# KiCad board poly_kb_wave_right_before_mirroring.kicad_pcb
title: Poly Keyboard Wave L; date: 2022-02-01; rev: 1.2; company: thpoll; note: AISLER Project ID: RHQTXHMD
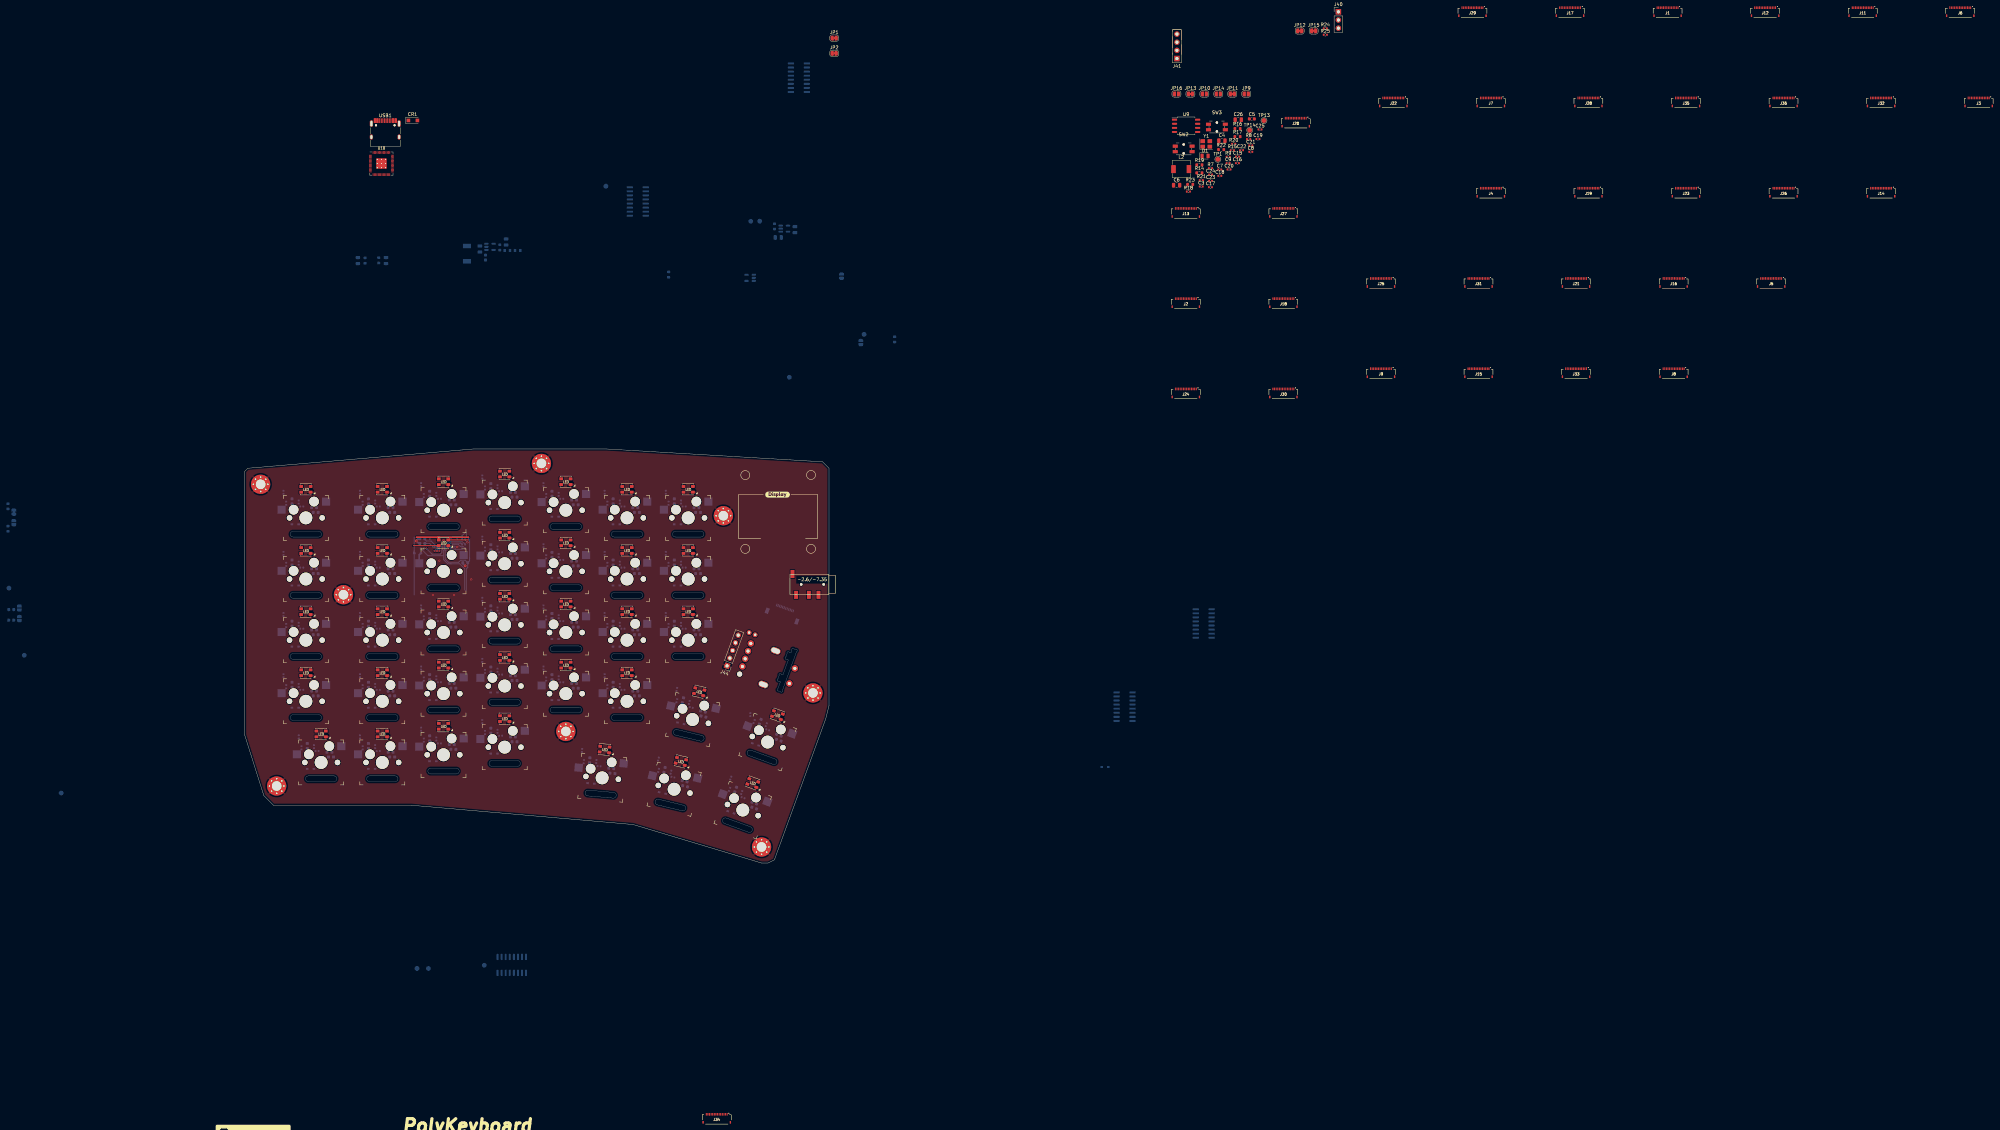
[diagram p0: board, top side]
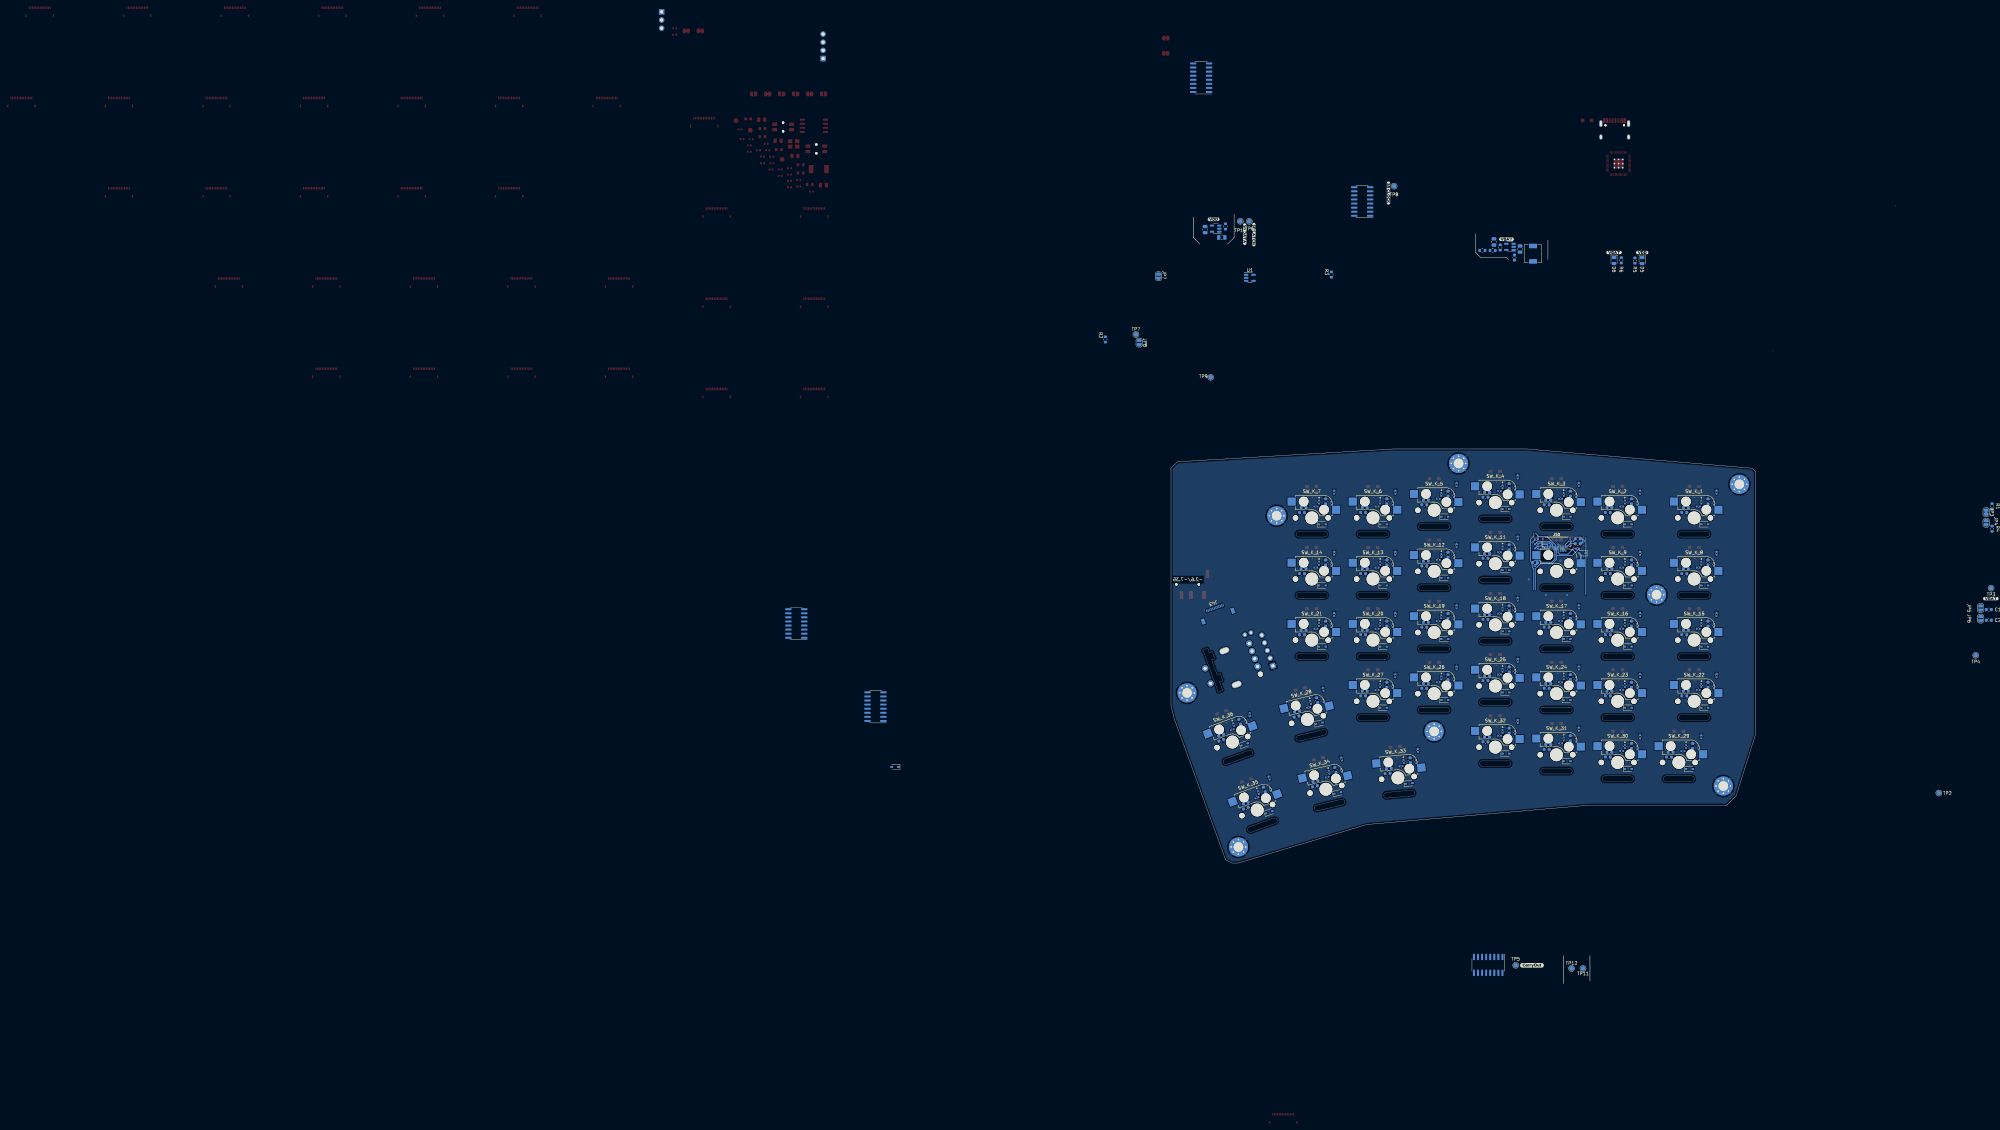
[diagram p1: board, bottom side, seen from below]

Outline 182 x 129 mm; copper layers: Top (plane), In1.Cu, In2.Cu (plane), Bottom. Coordinates in mm from the lower left corner of the outline.
Outline path: 0,122 0,40 6,21 9,18 52,18 121,12 161,0 163,0 165,1 181,45 182,49 182,123 180,125 112.7,129 71.2,129 1,123 0,122 ; 15.1,101.57 arc(14.21,102.46) 15.1,103.35 23.08,103.35 arc(23.97,102.46) 23.08,101.57 15.1,101.57 ; 15.1,82.52 arc(14.21,83.41) 15.1,84.3 23.08,84.3 arc(23.97,83.41) 23.08,82.52 15.1,82.52 ; 15.1,63.47 arc(14.21,64.36) 15.1,65.25 23.08,65.25 arc(23.97,64.36) 23.08,63.47 15.1,63.47 ; 15.1,44.42 arc(14.21,45.31) 15.1,46.2 23.08,46.2 arc(23.97,45.31) 23.08,44.42 15.1,44.42 ; 19.86,25.37 arc(18.97,26.26) 19.86,27.15 27.84,27.15 arc(28.73,26.26) 27.84,25.37 19.86,25.37 ; 38.91,101.57 arc(38.02,102.46) 38.91,103.35 46.89,103.35 arc(47.78,102.46) 46.89,101.57 38.91,101.57 ; 38.91,82.52 arc(38.02,83.41) 38.91,84.3 46.89,84.3 arc(47.78,83.41) 46.89,82.52 38.91,82.52 ; 38.91,63.47 arc(38.02,64.36) 38.91,65.25 46.89,65.25 arc(47.78,64.36) 46.89,63.47 38.91,63.47 ; 38.91,44.42 arc(38.02,45.31) 38.91,46.2 46.89,46.2 arc(47.78,45.31) 46.89,44.42 38.91,44.42 ; 38.91,25.37 arc(38.02,26.26) 38.91,27.15 46.89,27.15 arc(47.78,26.26) 46.89,25.37 38.91,25.37 ; 57.96,103.95 arc(57.07,104.84) 57.96,105.73 65.94,105.73 arc(66.83,104.84) 65.94,103.95 57.96,103.95 ; 57.96,84.9 arc(57.07,85.79) 57.96,86.68 65.94,86.68 arc(66.83,85.79) 65.94,84.9 57.96,84.9 ; 57.96,65.85 arc(57.07,66.74) 57.96,67.63 65.94,67.63 arc(66.83,66.74) 65.94,65.85 57.96,65.85 ; 57.96,46.8 arc(57.07,47.69) 57.96,48.58 65.94,48.58 arc(66.83,47.69) 65.94,46.8 57.96,46.8 ; 57.96,27.75 arc(57.07,28.64) 57.96,29.53 65.94,29.53 arc(66.83,28.64) 65.94,27.75 57.96,27.75 ; 77.01,106.34 arc(76.12,107.22) 77.01,108.11 84.99,108.11 arc(85.88,107.22) 84.99,106.34 77.01,106.34 ; 77.01,87.29 arc(76.12,88.17) 77.01,89.06 84.99,89.06 arc(85.88,88.17) 84.99,87.29 77.01,87.29 ; 77.01,68.24 arc(76.12,69.12) 77.01,70.01 84.99,70.01 arc(85.88,69.12) 84.99,68.24 77.01,68.24 ; 77.01,49.19 arc(76.12,50.08) 77.01,50.96 84.99,50.96 arc(85.88,50.08) 84.99,49.19 77.01,49.19 ; 77.01,30.14 arc(76.12,31.02) 77.01,31.91 84.99,31.91 arc(85.88,31.02) 84.99,30.14 77.01,30.14 ; 96.06,103.95 arc(95.17,104.84) 96.06,105.73 104.04,105.73 arc(104.93,104.84) 104.04,103.95 96.06,103.95 ; 96.06,84.9 arc(95.17,85.79) 96.06,86.68 104.04,86.68 arc(104.93,85.79) 104.04,84.9 96.06,84.9 ; 96.06,65.85 arc(95.17,66.74) 96.06,67.63 104.04,67.63 arc(104.93,66.74) 104.04,65.85 96.06,65.85 ; 96.06,46.8 arc(95.17,47.69) 96.06,48.58 104.04,48.58 arc(104.93,47.69) 104.04,46.8 96.06,46.8 ; 106.85,20.92 arc(106.04,21.88) 107,22.69 114.96,22 arc(115.76,21.03) 114.8,20.22 106.85,20.92 ; 115.11,101.57 arc(114.22,102.46) 115.11,103.35 123.09,103.35 arc(123.98,102.46) 123.09,101.57 115.11,101.57 ; 115.11,82.52 arc(114.22,83.41) 115.11,84.3 123.09,84.3 arc(123.98,83.41) 123.09,82.52 115.11,82.52 ; 115.11,63.47 arc(114.22,64.36) 115.11,65.25 123.09,65.25 arc(123.98,64.36) 123.09,63.47 115.11,63.47 ; 115.11,44.42 arc(114.22,45.31) 115.11,46.2 123.09,46.2 arc(123.98,45.31) 123.09,44.42 115.11,44.42 ; 128.52,18.13 arc(127.87,19.21) 128.94,19.86 136.7,18 arc(137.36,16.93) 136.28,16.27 128.52,18.13 ; 134.16,101.57 arc(133.27,102.46) 134.16,103.35 142.14,103.35 arc(143.03,102.46) 142.14,101.57 134.16,101.57 ; 134.16,82.52 arc(133.27,83.41) 134.16,84.3 142.14,84.3 arc(143.03,83.41) 142.14,82.52 134.16,82.52 ; 134.16,63.47 arc(133.27,64.36) 134.16,65.25 142.14,65.25 arc(143.03,64.36) 142.14,63.47 134.16,63.47 ; 134.24,39.85 arc(133.58,40.92) 134.65,41.58 142.41,39.72 arc(143.07,38.64) 142,37.99 134.24,39.85 ; 149.43,12.34 arc(148.9,13.48) 150.04,14.01 157.54,11.28 arc(158.07,10.14) 156.93,9.61 149.43,12.34 ; 157.09,33.48 arc(156.56,34.62) 157.7,35.15 165.2,32.42 arc(165.73,31.28) 164.59,30.75 157.09,33.48
Stack: Top 0.035mm / dielectric 1.51mm FR4 er 4.5 / In1.Cu 0.035mm / dielectric 1.51mm FR4 er 4.5 / In2.Cu 0.035mm / dielectric 1.51mm FR4 er 4.5 / Bottom 0.035mm

## Placement (name value [footprint] x y rotation side)
C1  10pF 0603  [C_0603_1608Metric]  -72.67 78.95 180 bottom
C1_1  2.2uF 0603  [C_0603_1608Metric]  22.16 109.24 180 bottom
C1_2  2.2uF 0603  [C_0603_1608Metric]  45.98 109.24 180 bottom
C1_3  2.2uF 0603  [C_0603_1608Metric]  65.03 111.62 180 bottom
C1_4  2.2uF 0603  [C_0603_1608Metric]  84.08 114 180 bottom
C1_5  2.2uF 0603  [C_0603_1608Metric]  103.12 111.62 180 bottom
C1_6  2.2uF 0603  [C_0603_1608Metric]  122.18 109.24 180 bottom
C1_7  2.2uF 0603  [C_0603_1608Metric]  141.22 109.24 180 bottom
C1_8  2.2uF 0603  [C_0603_1608Metric]  22.16 90.19 180 bottom
C1_9  2.2uF 0603  [C_0603_1608Metric]  45.98 90.19 180 bottom
C1_10  2.2uF 0603  [C_0603_1608Metric]  55.35 99.53 180 bottom
C1_11  2.2uF 0603  [C_0603_1608Metric]  84.08 94.95 180 bottom
C1_12  2.2uF 0603  [C_0603_1608Metric]  103.12 92.57 180 bottom
C1_13  2.2uF 0603  [C_0603_1608Metric]  122.18 90.19 180 bottom
C1_14  2.2uF 0603  [C_0603_1608Metric]  141.22 90.19 180 bottom
C1_15  2.2uF 0603  [C_0603_1608Metric]  22.16 71.14 180 bottom
C1_16  2.2uF 0603  [C_0603_1608Metric]  45.98 71.14 180 bottom
C1_17  2.2uF 0603  [C_0603_1608Metric]  65.03 73.52 180 bottom
C1_18  2.2uF 0603  [C_0603_1608Metric]  84.08 75.9 180 bottom
C1_19  2.2uF 0603  [C_0603_1608Metric]  103.12 73.52 180 bottom
C1_20  2.2uF 0603  [C_0603_1608Metric]  122.18 71.14 180 bottom
C1_21  2.2uF 0603  [C_0603_1608Metric]  141.22 71.14 180 bottom
C1_22  2.2uF 0603  [C_0603_1608Metric]  22.16 52.09 180 bottom
C1_23  2.2uF 0603  [C_0603_1608Metric]  45.98 52.09 180 bottom
C1_24  2.2uF 0603  [C_0603_1608Metric]  65.03 54.47 180 bottom
C1_25  2.2uF 0603  [C_0603_1608Metric]  84.08 56.85 180 bottom
C1_26  2.2uF 0603  [C_0603_1608Metric]  103.12 54.47 180 bottom
C1_27  2.2uF 0603  [C_0603_1608Metric]  122.18 52.09 180 bottom
C1_28  2.2uF 0603  [C_0603_1608Metric]  142.9 45.65 166.5 bottom
C1_29  2.2uF 0603  [C_0603_1608Metric]  26.93 33.04 180 bottom
C1_30  2.2uF 0603  [C_0603_1608Metric]  45.98 33.04 180 bottom
C1_31  2.2uF 0603  [C_0603_1608Metric]  65.03 35.42 180 bottom
C1_32  2.2uF 0603  [C_0603_1608Metric]  84.08 37.8 180 bottom
C1_33  2.2uF 0603  [C_0603_1608Metric]  114.56 27.94 175 bottom
C1_34  2.2uF 0603  [C_0603_1608Metric]  137.18 23.94 166.5 bottom
C1_35  2.2uF 0603  [C_0603_1608Metric]  158.69 17.12 160 bottom
C1_36  2.2uF 0603  [C_0603_1608Metric]  166.35 38.26 160 bottom
C2  10pF 0603  [C_0603_1608Metric]  -72.67 75.65 180 bottom
C2_1  2.2uF 0603  [C_0603_1608Metric]  14.77 112.69 90 bottom
C2_2  2.2uF 0603  [C_0603_1608Metric]  38.58 112.69 90 bottom
C2_3  2.2uF 0603  [C_0603_1608Metric]  57.63 115.07 90 bottom
C2_4  2.2uF 0603  [C_0603_1608Metric]  76.68 117.45 90 bottom
C2_5  2.2uF 0603  [C_0603_1608Metric]  95.73 115.07 90 bottom
C2_6  2.2uF 0603  [C_0603_1608Metric]  114.78 112.69 90 bottom
C2_7  2.2uF 0603  [C_0603_1608Metric]  133.83 112.69 90 bottom
C2_8  2.2uF 0603  [C_0603_1608Metric]  14.77 93.64 90 bottom
C2_9  2.2uF 0603  [C_0603_1608Metric]  38.58 93.64 90 bottom
C2_10  2.2uF 0603  [C_0603_1608Metric]  68.71 93.57 180 bottom
C2_11  2.2uF 0603  [C_0603_1608Metric]  76.68 98.4 90 bottom
C2_12  2.2uF 0603  [C_0603_1608Metric]  95.73 96.02 90 bottom
C2_13  2.2uF 0603  [C_0603_1608Metric]  114.78 93.64 90 bottom
C2_14  2.2uF 0603  [C_0603_1608Metric]  133.83 93.64 90 bottom
C2_15  2.2uF 0603  [C_0603_1608Metric]  14.77 74.59 90 bottom
C2_16  2.2uF 0603  [C_0603_1608Metric]  38.58 74.59 90 bottom
C2_17  2.2uF 0603  [C_0603_1608Metric]  57.63 76.97 90 bottom
C2_18  2.2uF 0603  [C_0603_1608Metric]  76.68 79.35 90 bottom
C2_19  2.2uF 0603  [C_0603_1608Metric]  95.73 76.97 90 bottom
C2_20  2.2uF 0603  [C_0603_1608Metric]  114.78 74.59 90 bottom
C2_21  2.2uF 0603  [C_0603_1608Metric]  133.83 74.59 90 bottom
C2_22  2.2uF 0603  [C_0603_1608Metric]  14.77 55.54 90 bottom
C2_23  2.2uF 0603  [C_0603_1608Metric]  38.58 55.54 90 bottom
C2_24  2.2uF 0603  [C_0603_1608Metric]  57.63 57.92 90 bottom
C2_25  2.2uF 0603  [C_0603_1608Metric]  76.68 60.3 90 bottom
C2_26  2.2uF 0603  [C_0603_1608Metric]  95.73 57.92 90 bottom
C2_27  2.2uF 0603  [C_0603_1608Metric]  114.78 55.54 90 bottom
C2_28  2.2uF 0603  [C_0603_1608Metric]  136.51 50.73 76.5 bottom
C2_29  2.2uF 0603  [C_0603_1608Metric]  19.53 36.49 90 bottom
C2_30  2.2uF 0603  [C_0603_1608Metric]  38.58 36.49 90 bottom
C2_31  2.2uF 0603  [C_0603_1608Metric]  57.63 38.87 90 bottom
C2_32  2.2uF 0603  [C_0603_1608Metric]  76.68 41.25 90 bottom
C2_33  2.2uF 0603  [C_0603_1608Metric]  107.49 32.02 85 bottom
C2_34  2.2uF 0603  [C_0603_1608Metric]  130.8 29.01 76.5 bottom
C2_35  2.2uF 0603  [C_0603_1608Metric]  152.93 22.89 70 bottom
C2_36  2.2uF 0603  [C_0603_1608Metric]  160.59 44.03 70 bottom
C3  27pF 0402  [C_0402_1005Metric]  297.92 210.78 0 top
C3_1  1uF 0402  [C_0402_1005Metric]  12.12 115.52 90 bottom
C3_2  1uF 0402  [C_0402_1005Metric]  35.93 115.52 90 bottom
C3_3  1uF 0402  [C_0402_1005Metric]  54.98 117.9 90 bottom
C3_4  1uF 0402  [C_0402_1005Metric]  74.03 120.29 90 bottom
C3_5  1uF 0402  [C_0402_1005Metric]  93.08 117.9 90 bottom
C3_6  1uF 0402  [C_0402_1005Metric]  112.13 115.52 90 bottom
C3_7  1uF 0402  [C_0402_1005Metric]  131.18 115.52 90 bottom
C3_8  1uF 0402  [C_0402_1005Metric]  12.12 96.47 90 bottom
C3_9  1uF 0402  [C_0402_1005Metric]  35.93 96.47 90 bottom
C3_10  1uF 0402  [C_0402_1005Metric]  68.23 100.87 0 bottom
C3_11  1uF 0402  [C_0402_1005Metric]  74.03 101.24 90 bottom
C3_12  1uF 0402  [C_0402_1005Metric]  93.08 98.85 90 bottom
C3_13  1uF 0402  [C_0402_1005Metric]  112.13 96.47 90 bottom
C3_14  1uF 0402  [C_0402_1005Metric]  131.18 96.47 90 bottom
C3_15  1uF 0402  [C_0402_1005Metric]  12.12 77.42 90 bottom
C3_16  1uF 0402  [C_0402_1005Metric]  35.93 77.42 90 bottom
C3_17  1uF 0402  [C_0402_1005Metric]  54.98 79.8 90 bottom
C3_18  1uF 0402  [C_0402_1005Metric]  74.03 82.19 90 bottom
C3_19  1uF 0402  [C_0402_1005Metric]  93.08 79.8 90 bottom
C3_20  1uF 0402  [C_0402_1005Metric]  112.13 77.42 90 bottom
C3_21  1uF 0402  [C_0402_1005Metric]  131.18 77.42 90 bottom
C3_22  1uF 0402  [C_0402_1005Metric]  12.12 58.37 90 bottom
C3_23  1uF 0402  [C_0402_1005Metric]  35.93 58.37 90 bottom
C3_24  1uF 0402  [C_0402_1005Metric]  54.98 60.75 90 bottom
C3_25  1uF 0402  [C_0402_1005Metric]  74.03 63.14 90 bottom
C3_26  1uF 0402  [C_0402_1005Metric]  93.08 60.75 90 bottom
C3_27  1uF 0402  [C_0402_1005Metric]  112.13 58.37 90 bottom
C3_28  1uF 0402  [C_0402_1005Metric]  134.6 54.11 76.5 bottom
C3_29  1uF 0402  [C_0402_1005Metric]  16.88 39.32 90 bottom
C3_30  1uF 0402  [C_0402_1005Metric]  35.93 39.32 90 bottom
C3_31  1uF 0402  [C_0402_1005Metric]  54.98 41.7 90 bottom
C3_32  1uF 0402  [C_0402_1005Metric]  74.03 44.09 90 bottom
C3_33  1uF 0402  [C_0402_1005Metric]  105.09 35.08 85 bottom
C3_34  1uF 0402  [C_0402_1005Metric]  128.88 32.39 76.5 bottom
C3_35  1uF 0402  [C_0402_1005Metric]  151.4 26.47 70 bottom
C3_36  1uF 0402  [C_0402_1005Metric]  157.5 46.27 270 bottom
C4  10uF 0805  [C_0805_2012Metric]  304.35 225.04 0 top
C4_1  4.7uF 0603  [C_0603_1608Metric]  21.66 110.74 180 bottom
C4_2  4.7uF 0603  [C_0603_1608Metric]  45.48 110.74 180 bottom
C4_3  4.7uF 0603  [C_0603_1608Metric]  64.53 113.12 180 bottom
C4_4  4.7uF 0603  [C_0603_1608Metric]  83.58 115.5 180 bottom
C4_5  4.7uF 0603  [C_0603_1608Metric]  102.62 113.12 180 bottom
C4_6  4.7uF 0603  [C_0603_1608Metric]  121.68 110.74 180 bottom
C4_7  4.7uF 0603  [C_0603_1608Metric]  140.72 110.74 180 bottom
C4_8  4.7uF 0603  [C_0603_1608Metric]  21.66 91.69 180 bottom
C4_9  4.7uF 0603  [C_0603_1608Metric]  45.48 91.69 180 bottom
C4_10  4.7uF 0603  [C_0603_1608Metric]  55.35 101.05 180 bottom
C4_11  4.7uF 0603  [C_0603_1608Metric]  83.58 96.45 180 bottom
C4_12  4.7uF 0603  [C_0603_1608Metric]  102.62 94.07 180 bottom
C4_13  4.7uF 0603  [C_0603_1608Metric]  121.68 91.69 180 bottom
C4_14  4.7uF 0603  [C_0603_1608Metric]  140.72 91.69 180 bottom
C4_15  4.7uF 0603  [C_0603_1608Metric]  21.66 72.64 180 bottom
C4_16  4.7uF 0603  [C_0603_1608Metric]  45.48 72.64 180 bottom
C4_17  4.7uF 0603  [C_0603_1608Metric]  64.53 75.02 180 bottom
C4_18  4.7uF 0603  [C_0603_1608Metric]  83.58 77.4 180 bottom
C4_19  4.7uF 0603  [C_0603_1608Metric]  102.62 75.02 180 bottom
C4_20  4.7uF 0603  [C_0603_1608Metric]  121.68 72.64 180 bottom
C4_21  4.7uF 0603  [C_0603_1608Metric]  140.72 72.64 180 bottom
C4_22  4.7uF 0603  [C_0603_1608Metric]  21.66 53.59 180 bottom
C4_23  4.7uF 0603  [C_0603_1608Metric]  45.48 53.59 180 bottom
C4_24  4.7uF 0603  [C_0603_1608Metric]  64.53 55.97 180 bottom
C4_25  4.7uF 0603  [C_0603_1608Metric]  83.58 58.35 180 bottom
C4_26  4.7uF 0603  [C_0603_1608Metric]  102.62 55.97 180 bottom
C4_27  4.7uF 0603  [C_0603_1608Metric]  121.68 53.59 180 bottom
C4_28  4.7uF 0603  [C_0603_1608Metric]  142.76 47.23 166.5 bottom
C4_29  4.7uF 0603  [C_0603_1608Metric]  26.43 34.54 180 bottom
C4_30  4.7uF 0603  [C_0603_1608Metric]  45.48 34.54 180 bottom
C4_31  4.7uF 0603  [C_0603_1608Metric]  64.53 36.92 180 bottom
C4_32  4.7uF 0603  [C_0603_1608Metric]  83.58 39.3 180 bottom
C4_33  4.7uF 0603  [C_0603_1608Metric]  114.19 29.48 175 bottom
C4_34  4.7uF 0603  [C_0603_1608Metric]  137.05 25.51 166.5 bottom
C4_35  4.7uF 0603  [C_0603_1608Metric]  158.74 18.7 160 bottom
C4_36  4.7uF 0603  [C_0603_1608Metric]  166.4 39.84 160 bottom
C5  22pF 0603  [C_0603_1608Metric]  313.68 231.84 0 top
C5_1  1uF 0402  [C_0402_1005Metric]  16.85 112.47 90 bottom
C5_2  1uF 0402  [C_0402_1005Metric]  40.66 112.47 90 bottom
C5_3  1uF 0402  [C_0402_1005Metric]  59.71 114.85 90 bottom
C5_4  1uF 0402  [C_0402_1005Metric]  78.76 117.24 90 bottom
C5_5  1uF 0402  [C_0402_1005Metric]  97.81 114.85 90 bottom
C5_6  1uF 0402  [C_0402_1005Metric]  116.86 112.47 90 bottom
C5_7  1uF 0402  [C_0402_1005Metric]  135.91 112.47 90 bottom
C5_8  1uF 0402  [C_0402_1005Metric]  16.85 93.42 90 bottom
C5_9  1uF 0402  [C_0402_1005Metric]  40.66 93.42 90 bottom
C5_10  1uF 0402  [C_0402_1005Metric]  68.22 98 180 bottom
C5_11  1uF 0402  [C_0402_1005Metric]  78.76 98.19 90 bottom
C5_12  1uF 0402  [C_0402_1005Metric]  97.81 95.8 90 bottom
C5_13  1uF 0402  [C_0402_1005Metric]  116.86 93.42 90 bottom
C5_14  1uF 0402  [C_0402_1005Metric]  135.91 93.42 90 bottom
C5_15  1uF 0402  [C_0402_1005Metric]  16.85 74.37 90 bottom
C5_16  1uF 0402  [C_0402_1005Metric]  40.66 74.37 90 bottom
C5_17  1uF 0402  [C_0402_1005Metric]  59.71 76.75 90 bottom
C5_18  1uF 0402  [C_0402_1005Metric]  78.76 79.14 90 bottom
C5_19  1uF 0402  [C_0402_1005Metric]  97.81 76.75 90 bottom
C5_20  1uF 0402  [C_0402_1005Metric]  116.86 74.37 90 bottom
C5_21  1uF 0402  [C_0402_1005Metric]  135.91 74.37 90 bottom
C5_22  1uF 0402  [C_0402_1005Metric]  16.85 55.32 90 bottom
C5_23  1uF 0402  [C_0402_1005Metric]  40.66 55.32 90 bottom
C5_24  1uF 0402  [C_0402_1005Metric]  59.71 57.7 90 bottom
C5_25  1uF 0402  [C_0402_1005Metric]  78.76 60.09 90 bottom
C5_26  1uF 0402  [C_0402_1005Metric]  97.81 57.7 90 bottom
C5_27  1uF 0402  [C_0402_1005Metric]  116.86 55.32 90 bottom
C5_28  1uF 0402  [C_0402_1005Metric]  138.49 50.04 76.5 bottom
C5_29  1uF 0402  [C_0402_1005Metric]  21.61 36.27 90 bottom
C5_30  1uF 0402  [C_0402_1005Metric]  40.66 36.27 90 bottom
C5_31  1uF 0402  [C_0402_1005Metric]  59.71 38.65 90 bottom
C5_32  1uF 0402  [C_0402_1005Metric]  78.76 41.04 90 bottom
C5_33  1uF 0402  [C_0402_1005Metric]  109.55 31.62 85 bottom
C5_34  1uF 0402  [C_0402_1005Metric]  132.78 28.32 76.5 bottom
C5_35  1uF 0402  [C_0402_1005Metric]  154.81 21.98 70 bottom
C5_36  1uF 0402  [C_0402_1005Metric]  162.47 43.12 70 bottom
C6  10uF 0805  [C_0805_2012Metric]  290.25 211.19 0 top
C6_1  1uF 0402  [C_0402_1005Metric]  17.82 111.1 0 bottom
C6_2  1uF 0402  [C_0402_1005Metric]  41.63 111.1 0 bottom
C6_3  1uF 0402  [C_0402_1005Metric]  60.68 113.48 0 bottom
C6_4  1uF 0402  [C_0402_1005Metric]  79.73 115.86 0 bottom
C6_5  1uF 0402  [C_0402_1005Metric]  98.78 113.48 0 bottom
C6_6  1uF 0402  [C_0402_1005Metric]  117.83 111.1 0 bottom
C6_7  1uF 0402  [C_0402_1005Metric]  136.88 111.1 0 bottom
C6_8  1uF 0402  [C_0402_1005Metric]  17.82 92.05 0 bottom
C6_9  1uF 0402  [C_0402_1005Metric]  41.63 92.05 0 bottom
C6_10  1uF 0402  [C_0402_1005Metric]  68.22 99.27 0 bottom
C6_11  1uF 0402  [C_0402_1005Metric]  79.73 96.81 0 bottom
C6_12  1uF 0402  [C_0402_1005Metric]  98.78 94.43 0 bottom
C6_13  1uF 0402  [C_0402_1005Metric]  117.83 92.05 0 bottom
C6_14  1uF 0402  [C_0402_1005Metric]  136.88 92.05 0 bottom
C6_15  1uF 0402  [C_0402_1005Metric]  17.82 73 0 bottom
C6_16  1uF 0402  [C_0402_1005Metric]  41.63 73 0 bottom
C6_17  1uF 0402  [C_0402_1005Metric]  60.68 75.38 0 bottom
C6_18  1uF 0402  [C_0402_1005Metric]  79.73 77.76 0 bottom
C6_19  1uF 0402  [C_0402_1005Metric]  98.78 75.38 0 bottom
C6_20  1uF 0402  [C_0402_1005Metric]  117.83 73 0 bottom
C6_21  1uF 0402  [C_0402_1005Metric]  136.88 73 0 bottom
C6_22  1uF 0402  [C_0402_1005Metric]  17.82 53.95 0 bottom
C6_23  1uF 0402  [C_0402_1005Metric]  41.63 53.95 0 bottom
C6_24  1uF 0402  [C_0402_1005Metric]  60.68 56.33 0 bottom
C6_25  1uF 0402  [C_0402_1005Metric]  79.73 58.71 0 bottom
C6_26  1uF 0402  [C_0402_1005Metric]  98.78 56.33 0 bottom
C6_27  1uF 0402  [C_0402_1005Metric]  117.83 53.95 0 bottom
C6_28  1uF 0402  [C_0402_1005Metric]  139.11 48.48 346.5 bottom
C6_29  1uF 0402  [C_0402_1005Metric]  22.58 34.9 0 bottom
C6_30  1uF 0402  [C_0402_1005Metric]  41.63 34.9 0 bottom
C6_31  1uF 0402  [C_0402_1005Metric]  60.68 37.28 0 bottom
C6_32  1uF 0402  [C_0402_1005Metric]  79.73 39.66 0 bottom
C6_33  1uF 0402  [C_0402_1005Metric]  110.39 30.17 355 bottom
C6_34  1uF 0402  [C_0402_1005Metric]  133.39 26.76 346.5 bottom
C6_35  1uF 0402  [C_0402_1005Metric]  155.25 20.36 340 bottom
C6_36  1uF 0402  [C_0402_1005Metric]  162.91 41.5 340 bottom
C7  100nF 0402  [C_0402_1005Metric]  303.7 216.08 0 top
C8  27pF 0402  [C_0402_1005Metric]  313.35 221.59 0 top
C9  100nF 0402  [C_0402_1005Metric]  306.31 218.05 0 top
C10  10uF 0805  [C_0805_2012Metric]  81.43 193.5 270 bottom
C11  22pF 0603  [C_0603_1608Metric]  75.03 188.65 90 bottom
C12  10uF 0805  [C_0805_2012Metric]  73.29 191.29 90 bottom
C13  10uF 0805  [C_0805_2012Metric]  171.38 197.35 90 bottom
C14  10uF 0805  [C_0805_2012Metric]  166.19 194.91 180 bottom
C15  100nF 0402  [C_0402_1005Metric]  309.22 220.1 0 top
C16  100nF 0402  [C_0402_1005Metric]  309.18 218.05 0 top
C17  100nF 0402  [C_0402_1005Metric]  300.79 210.56 0 top
C18  100nF 0402  [C_0402_1005Metric]  303.7 214.11 0 top
C19  100nF 0402  [C_0402_1005Metric]  315.58 225.55 0 top
C20  100nF 0402  [C_0402_1005Metric]  306.57 216.08 0 top
C21  100nF 0402  [C_0402_1005Metric]  313.35 223.56 0 top
C22  100nF 0402  [C_0402_1005Metric]  310.48 222.09 0 top
C23  100nF 0402  [C_0402_1005Metric]  300.83 212.53 0 top
C24  1uf 0402  [C_0402_1005Metric]  300.83 214.5 0 top
C25  1uf 0402  [C_0402_1005Metric]  316.22 228.56 0 top
C26  10uf 0805  [C_0805_2012Metric]  309.45 231.59 0 top
CR1  MBR120VLSFT1G  [D_SOD-123F]  52.43 231.37 0 top
D1  Red 0805  [LED_0805_2012Metric]  299.12 220.3 0 top
D1_1  1N4148WS  [D_SOD-323Ext]  15.79 105.54 180 bottom
D1_2  1N4148WS  [D_SOD-323Ext]  39.6 105.54 180 bottom
D1_3  1N4148WS  [D_SOD-323Ext]  58.65 107.92 180 bottom
D1_4  1N4148WS  [D_SOD-323Ext]  77.7 110.3 180 bottom
D1_5  1N4148WS  [D_SOD-323Ext]  96.75 107.92 180 bottom
D1_6  1N4148WS  [D_SOD-323Ext]  115.8 105.54 180 bottom
D1_7  1N4148WS  [D_SOD-323Ext]  134.85 105.54 180 bottom
D1_8  1N4148WS  [D_SOD-323Ext]  15.79 86.49 180 bottom
D1_9  1N4148WS  [D_SOD-323Ext]  39.6 86.49 180 bottom
D1_10  1N4148WS  [D_SOD-323Ext]  53.9 96.52 0 bottom
D1_11  1N4148WS  [D_SOD-323Ext]  77.7 91.25 180 bottom
D1_12  1N4148WS  [D_SOD-323Ext]  96.75 88.87 180 bottom
D1_13  1N4148WS  [D_SOD-323Ext]  115.8 86.49 180 bottom
D1_14  1N4148WS  [D_SOD-323Ext]  134.85 86.49 180 bottom
D1_15  1N4148WS  [D_SOD-323Ext]  15.79 67.44 180 bottom
D1_16  1N4148WS  [D_SOD-323Ext]  39.6 67.44 180 bottom
D1_17  1N4148WS  [D_SOD-323Ext]  58.65 69.82 180 bottom
D1_18  1N4148WS  [D_SOD-323Ext]  77.7 72.2 180 bottom
D1_19  1N4148WS  [D_SOD-323Ext]  96.75 69.82 180 bottom
D1_20  1N4148WS  [D_SOD-323Ext]  115.8 67.44 180 bottom
D1_21  1N4148WS  [D_SOD-323Ext]  134.85 67.44 180 bottom
D1_22  1N4148WS  [D_SOD-323Ext]  15.79 48.39 180 bottom
D1_23  1N4148WS  [D_SOD-323Ext]  39.6 48.39 180 bottom
D1_24  1N4148WS  [D_SOD-323Ext]  58.65 50.77 180 bottom
D1_25  1N4148WS  [D_SOD-323Ext]  77.7 53.15 180 bottom
D1_26  1N4148WS  [D_SOD-323Ext]  96.75 50.77 180 bottom
D1_27  1N4148WS  [D_SOD-323Ext]  115.8 48.39 180 bottom
D1_28  1N4148WS  [D_SOD-323Ext]  135.83 43.54 166.5 bottom
D1_29  1N4148WS  [D_SOD-323Ext]  20.55 29.34 180 bottom
D1_30  1N4148WS  [D_SOD-323Ext]  39.6 29.34 180 bottom
D1_31  1N4148WS  [D_SOD-323Ext]  58.65 31.72 180 bottom
D1_32  1N4148WS  [D_SOD-323Ext]  77.7 34.1 180 bottom
D1_33  1N4148WS  [D_SOD-323Ext]  107.88 24.81 175 bottom
D1_34  1N4148WS  [D_SOD-323Ext]  130.12 21.83 166.5 bottom
D1_35  1N4148WS  [D_SOD-323Ext]  151.44 15.83 160 bottom
D1_36  1N4148WS  [D_SOD-323Ext]  159.1 36.97 160 bottom
D5  Blue 0805  [LED_0805_2012Metric]  35.28 187.71 270 bottom
D6  Yellow 0805  [LED_0805_2012Metric]  44.03 187.71 270 bottom
D12  1N4148WS  [D_SOD-323Ext]  267.94 29.93 0 bottom
G***  LOGO  [background]  -166.65 -85.34 0 top
H1  MountingHole_Pad  [MountingHole_3mm_Pad_Via]  100.05 41 0 top
H2  MountingHole_Pad  [MountingHole_3mm_Pad_Via]  10 24 0 top
H3  MountingHole_Pad  [MountingHole_3mm_Pad_Via]  161 5 0 top
H4  MountingHole_Pad  [MountingHole_3mm_Pad_Via]  177 53 0 top
H5  MountingHole_Pad  [MountingHole_3mm_Pad_Via]  92.45 124.5 0 top
H6  MountingHole_Pad  [MountingHole_3mm_Pad_Via]  5 118 0 top
H7  MountingHole_Pad  [MountingHole_3mm_Pad_Via]  30.8 83.6 0 top
H8  MountingHole_Pad  [MountingHole_3mm_Pad_Via]  149.1 108.2 0 top
J1  0.42" Display Connector  [FH34SRJ14S05SH50]  443.14 264.96 0 top
J2  0.42" Display Connector  [FH34SRJ14S05SH50]  293.12 174.3 0 top
J3  0.42" Display Connector  [FH34SRJ14S05SH50]  540.01 236.84 0 top
J4  0.42" Display Connector  [FH34SRJ14S05SH50]  388.11 208.72 0 top
J5  0.42" Display Connector  [FH34SRJ14S05SH50]  475.4 180.6 0 top
J6  0.42" Display Connector  [FH34SRJ14S05SH50]  534.28 264.96 0 top
J7  0.42" Display Connector  [FH34SRJ14S05SH50]  388.11 236.84 0 top
J8  0.42" Display Connector  [FH34SRJ14S05SH50]  445.02 152.48 0 top
J9  0.42" Display Connector  [FH34SRJ14S05SH50]  353.88 152.48 0 top
J10  0.42" Display Connector  [FH34SRJ14S05SH50]  61.95 100.04 0 bottom
J11  0.42" Display Connector  [FH34SRJ14S05SH50]  503.9 264.96 0 top
J12  0.42" Display Connector  [FH34SRJ14S05SH50]  473.52 264.96 0 top
J13  0.42" Display Connector  [FH34SRJ14S05SH50]  293.12 202.42 0 top
J14  0.42" Display Connector  [FH34SRJ14S05SH50]  509.63 208.72 0 top
J15  0.42" Display Connector  [FH34SRJ14S05SH50]  384.26 152.48 0 top
J16  0.42" Display Connector  [FH34SRJ14S05SH50]  445.02 180.6 0 top
J17  0.42" Display Connector  [FH34SRJ14S05SH50]  412.76 264.96 0 top
J18  0.42" Display Connector  [FH34SRJ14S05SH50]  323.5 174.3 0 top
J19  0.42" Display Connector  [FH34SRJ14S05SH50]  418.49 208.72 0 top
J20  0.42" Display Connector  [FH34SRJ14S05SH50]  327.35 230.54 0 top
J21  0.42" Display Connector  [FH34SRJ14S05SH50]  414.64 180.6 0 top
J22  0.42" Display Connector  [FH34SRJ14S05SH50]  357.73 236.84 0 top
J23  0.42" Display Connector  [FH34SRJ14S05SH50]  448.87 208.72 0 top
J24  0.42" Display Connector  [FH34SRJ14S05SH50]  293.12 146.18 0 top
J25  0.42" Display Connector  [FH34SRJ14S05SH50]  353.88 180.6 0 top
J26  0.42" Display Connector  [FH34SRJ14S05SH50]  479.25 208.72 0 top
J27  0.42" Display Connector  [FH34SRJ14S05SH50]  323.5 202.42 0 top
J28  0.42" Display Connector  [FH34SRJ14S05SH50]  418.49 236.84 0 top
J29  0.42" Display Connector  [FH34SRJ14S05SH50]  382.38 264.96 0 top
J30  0.42" Display Connector  [FH34SRJ14S05SH50]  323.5 146.18 0 top
J31  0.42" Display Connector  [FH34SRJ14S05SH50]  384.26 180.6 0 top
J32  0.42" Display Connector  [FH34SRJ14S05SH50]  509.63 236.84 0 top
J33  0.42" Display Connector  [FH34SRJ14S05SH50]  414.64 152.48 0 top
J34  0.42" Display Connector  [FH34SRJ14S05SH50]  147.04 -79.8 0 top
J35  0.42" Display Connector  [FH34SRJ14S05SH50]  448.87 236.84 0 top
J36  0.42" Display Connector  [FH34SRJ14S05SH50]  479.25 236.84 0 top
J40  Conn_01x03_Male  [PinHeader_1x03_P2.54mm_Vertical]  340.63 265.19 0 top
J41  OPT_OLED_DISPLAY  [SSD1306_THT_OLED_DISPLAY_128X64_0-92INCH]  290.35 254.46 0 top
J42  AudioJack4  [TRRS-PJ-320D]  181.94 86.81 270 top